# Altium PCB DC-DC_PWM_IV_Controller.PcbDoc (part 1 of 2) (continued)
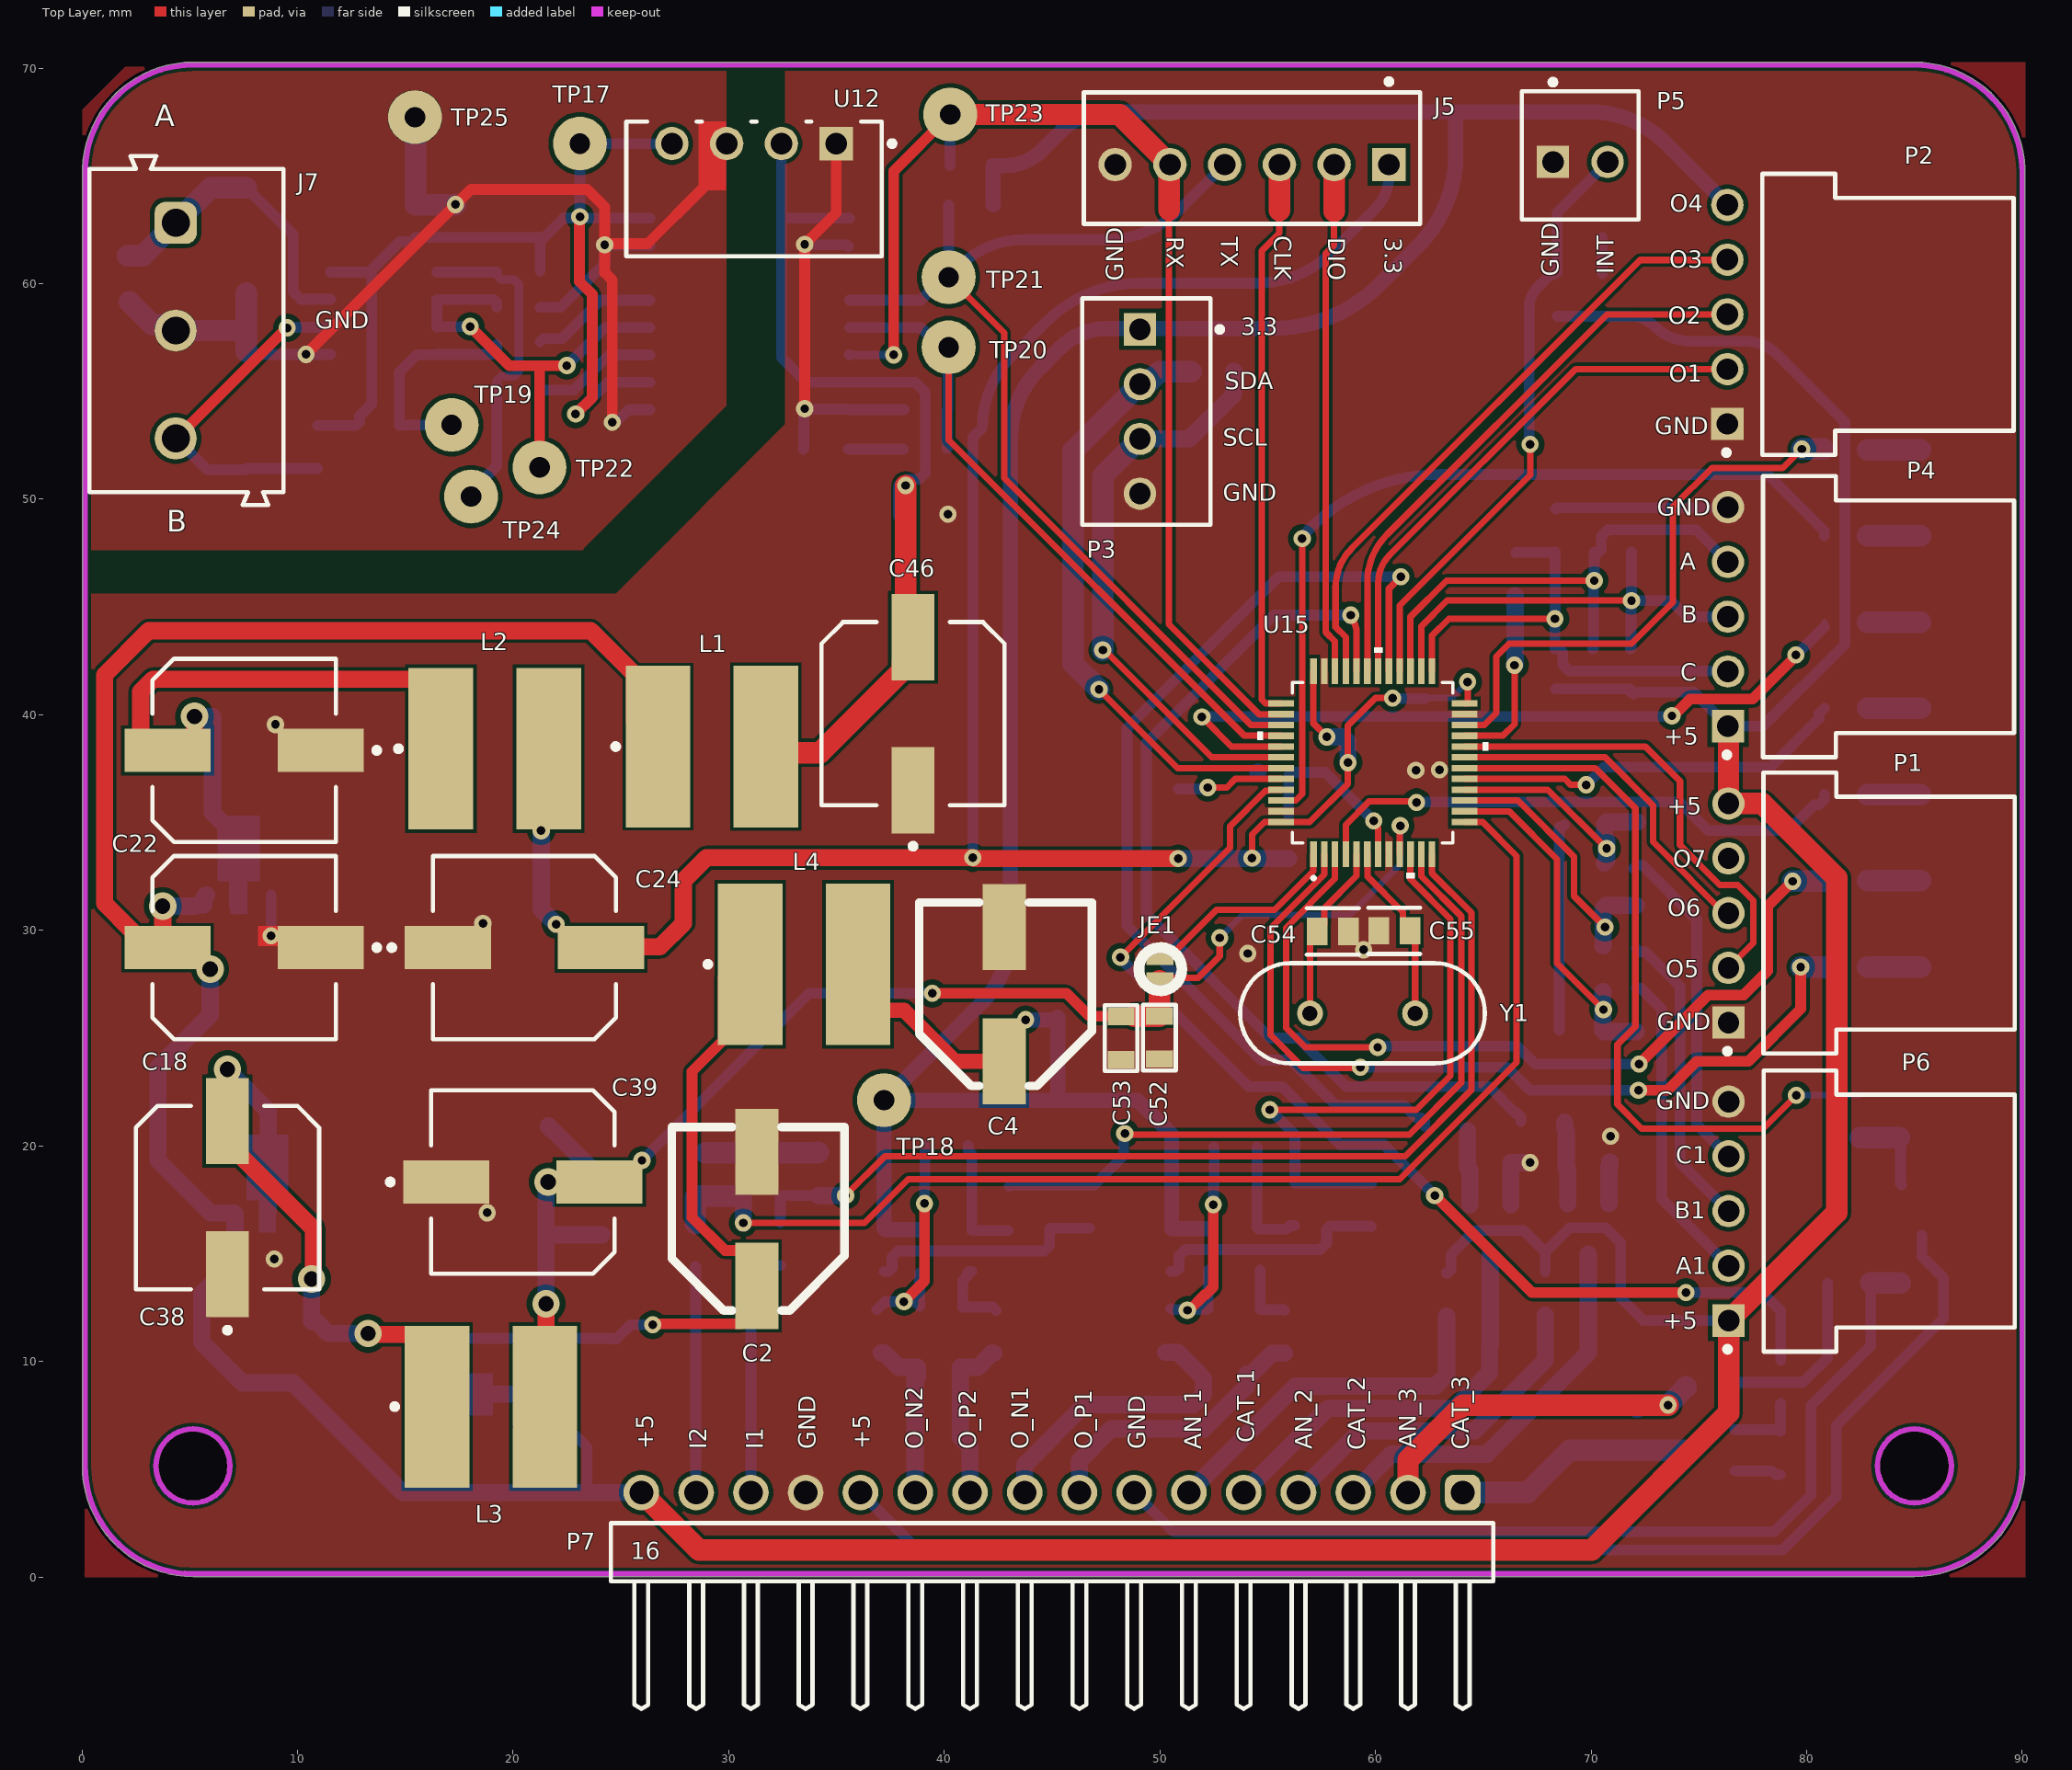
[diagram p0: Top Layer view]
## Components (designator, comment, footprint, x,y, rotation, side; value= is the part's Value field where it differs from the comment)
C1 "0.1uF" CAP-0805 45.275,26.975 r270 bottom
C2 "CAP-POLAR" CAP_SMD_Size_E 31.3,16.675 r270 top
C3 "0.1uF" CAP-0805 24.575,10.05 r90 bottom
C4 "CAP-POLAR" CAP_SMD_Size_E 42.775,27.1 r270 top locked
C5 "0.1uF" CAP-0805 22.2,7.975 r270 bottom
C16 "0.1uF" CAP-0805 37.204,15.175 r90 bottom
C17 "0.1uF" CAP-0805 50.529,15.175 r90 bottom
C18 "CAP-POLAR" SIZE_EEE 7.525,29.2 r180 top locked
C19 "0.1uF" CAP-0805 20.3,31.4 r0 bottom
C20 "0.1uF" CAP-0805 39.75,9.5 r0 bottom
C21 "0.1uF" CAP-0805 39.854,12.55 r0 bottom
C22 "CAP-POLAR" SIZE_EEE 7.525,38.35 r180 top locked
C23 "0.1uF" CAP-0805 7.05,39.875 r180 bottom
C24 "CAP-POLAR" SIZE_EEE 20.525,29.2 r0 top locked
C25 "0.1uF" CAP-0805 6.95,26.675 r180 bottom
C26 "0.1uF" CAP-0805 53.029,9.2 r0 bottom
C27 "0.1uF" CAP-0805 53.2,12.425 r0 bottom
C30 "1000pF" CAP-0805 44.879,17.15 r90 bottom
C32 "1000pF" CAP-0805 59.804,17.25 r90 bottom
C34 "0.1uF" CAP-0805 40.079,18.25 r0 bottom
C35 "0.1uF" CAP-0805 53.504,18.25 r0 bottom
C36 "0.1uF" CAP-0805 7.075,13.1 r90 bottom
C37 "0.1uF" CAP-0805 20.525,15.775 r0 bottom
C38 "CAP-POLAR" SIZE_EEE 6.75,17.6 r90 top locked
C39 "CAP-POLAR" SIZE_EEE 20.45,18.325 r0 top locked
C40 "0.1uF" CAP-0805 9.65,12.075 r0 bottom
C42 "C0805C224K5RACTU" FP-C0805C-DN-MFG 15.475,62.9 r90 bottom value="0.22 μF"
C45 "0.1uF" CAP-0805 39.125,50.55 r180 bottom
C46 "CAP-POLAR" SIZE_EEE 38.55,40.05 r90 top
C49 "0.1uF" CAP-0805 62.325,39.725 r90 bottom
C50 "0.1uF" CAP-0805 52.575,34.325 r270 bottom
C51 "0.1uF" CAP-0805 59.725,38.525 r180 bottom
C52 "0.1uF" CAP-0805 49.975,25.025 r90 top
C53 "0.1uF" CAP-0805 48.2,25 r90 top
C54 "16pF" FP-GRM21B-0_1-IPC_C 58.023,29.95 r0 top
C55 "16pF" FP-GRM21B-0_1-IPC_C 60.873,29.975 r180 top
C56 "0.22 UF" FP-C0805C-DN-MFG 55.3,37.325 r180 bottom value="0.22 μF"
C57 "22pF" CAP-0805 30.675,18.7 r270 bottom
C58 "22pF" CAP-0805 32.4,18.7 r270 bottom
C59 "22pF" CAP-0805 69.625,34.75 r0 bottom
C60 "22pF" CAP-0805 69.556,29.275 r0 bottom
C61 "22pF" CAP-0805 69.556,27.15 r0 bottom
C62 "22pF" CAP-0805 70.15,48.525 r270 bottom
C63 "22pF" CAP-0805 71.875,48.55 r270 bottom
C64 "22pF" CAP-0805 68.35,48.55 r270 bottom
D5 "151031YS06000" LED_GREEN 20.6,20.925 r180 bottom
D6 "LED" LED_BLUE 34.5,52.325 r180 bottom
D7 "151031YS06000" LED_BLUE 86.325,44.3 r0 bottom
D8 "151031YS06000" LED_RED 86.325,28.3 r0 bottom
D9 "151031YS06000" LED_YELLOW 86.325,32.3 r0 bottom
D10 "151031YS06000" LED_GREEN 86.325,36.3 r0 bottom
D11 "151031YS06000" LED_BLUE 86.325,40.3 r0 bottom
D12 "151031YS06000" LED_BLUE 86.325,48.3 r0 bottom
D13 "151031YS06000" LED_BLUE 86.325,52.3 r0 bottom
D14 "151031YS06000" LED_RED 69.475,62.15 r180 bottom
J5 "SWR25X-NRTC-S06-ST-BA" Sullins_SWR25X-NRTC-S06-ST-BA_MFG 54.275,65.825 r180 top
J7 "" 691101710003 4.85,57.825 r270 top
JE1 "Jumper" JE 50.025,28.2 r180 top
L1 "1000µH, 0.3A" WE-PD2_7850 29.225,38.525 r0 top
L2 "1000µH, 0.3A" WE-PD2_7850 19.15,38.425 r0 top
L3 "1000µH, 0.3A" WE-PD2_7850 18.975,7.9 r0 top
L4 "1000µH, 0.3A" WE-PD2_7850 33.5,28.425 r0 top
P1 "61900511021" 61900511021 83.825,30.8 r90 top
P2 "61900511021" 61900511021 83.775,58.575 r90 top
P3 "61900411121" 61900411121 49.375,54.07 r90 top
P4 "61900511021" 61900511021 83.8,44.55 r90 top
P5 "61900211121" 61900211121 69.5,65.95 r180 top locked
P6 "61900511021" 61900511021 83.83,16.975 r90 top locked
P7 "61301611021" 61301611021 45,1.15 r0 top locked
R1 "1K" RES-0805 75.4,8.825 r0 bottom
R2 "1K" RES-0805 72.125,6.875 r90 bottom
R3 "1K" RES-0805 78.8,9.05 r270 bottom
R4 "10K" RES-0805 78.775,5.75 r90 bottom
R5 "1K" RES-0805 81.975,13.65 r180 bottom
R6 "1K" RES-0805 85.35,13.65 r180 bottom
R7 "1K" RES-0805 82.475,21.375 r270 bottom
R8 "10K" RES-0805 85.3,20.375 r180 bottom
R21 "10K" RES-0805 42.4,11.375 r90 bottom
R22 "10K" RES-0805 55.575,11.375 r90 bottom
R23 "1K" RES-0805 43.004,17.125 r270 bottom
R24 "1K" RES-0805 56.254,17.3 r270 bottom
R25 "10K" RES-0805 36.875,11.4 r90 bottom
R26 "10K" RES-0805 50.325,11.425 r90 bottom
R27 "47K" RES-0805 46.729,17.175 r270 bottom
R28 "47K" RES-0805 58.029,17.275 r270 bottom
R29 "10K" RES-0805 40.104,20.025 r0 bottom
R30 "10K" RES-0805 53.504,19.95 r0 bottom
R31 "220" RES-0805 24.125,16.875 r270 bottom
R32 "10K" RES-0805 10.925,52.425 r90 bottom
R33 "10K" RES-0805 41.25,65.475 r0 bottom
R34 "10K" RES-0805 13.725,53.425 r180 bottom
R35 "10K" RES-0805 20.25,60.6 r0 bottom
R36 "10K" RES-0805 41.275,63.65 r0 bottom
R37 "100" RES-0805 20.25,57.1 r0 bottom
R38 "100" RES-0805 20.25,55.3 r0 bottom
R39 "10K" RES-0805 20.25,58.9 r180 bottom
R40 "220" RES-0805 39.125,52.35 r0 bottom
R41 "10K" RES-0805 39.15,54.15 r0 bottom
R42 "10K" RES-0805 1.975,60.15 r90 bottom
R43 "1K" RES-0805 67.875,13.15 r90 bottom
R44 "1K" RES-0805 63.3,13.1 r90 bottom
R45 "1K" RES-0805 68.875,10.625 r180 bottom
R46 "1K" RES-0805 64.3,10.55 r180 bottom
R47 "1K" RES-0805 67.75,21.125 r0 bottom
R48 "10K" RES-0805 55.975,34.325 r270 bottom
R49 "1K" RES-0805 63.275,20.925 r0 bottom
R50 "10K" RES-0805 69.875,19.3 r180 bottom
R51 "10K" RES-0805 65.275,19.2 r180 bottom
R52 "220" RES-0805 81.825,44.3 r180 bottom
R53 "220" RES-0805 81.825,52.3 r180 bottom
R54 "220" RES-0805 81.825,28.3 r180 bottom
R55 "220" RES-0805 81.825,32.3 r180 bottom
R56 "220" RES-0805 81.825,36.3 r180 bottom
R57 "220" RES-0805 81.825,40.3 r180 bottom
R58 "220" RES-0805 81.825,48.3 r180 bottom
R59 "1K" RES-0805 50.8,35.5 r90 bottom
R60 "10K" RES-0805 32.4,15.45 r90 bottom
R61 "100" RES-0805 72.1,26.3 r270 bottom
R62 "220" RES-0805 70.525,59.475 r270 bottom
R63 "220K" RES-0805 70.075,42.05 r270 bottom
R64 "220K" RES-0805 71.825,42.05 r270 bottom
R65 "220K" RES-0805 68.325,42.05 r270 bottom
R66 "100" RES-0805 72.1,30.15 r90 bottom
R67 "20K" RES-0805 66.475,46.525 r270 bottom
R68 "10K" RES-0805 28.45,15.4 r90 bottom
R69 "100" RES-0805 72.15,34.025 r90 bottom
R70 "10K" RES-0805 68.425,59.5 r90 bottom
R71 "22K" RES-0805 28.5,18.675 r270 bottom
R72 "22K" RES-0805 34.15,18.7 r270 bottom
R73 "220K" RES-0805 69.531,25.375 r0 bottom
R74 "220K" RES-0805 69.6,32.9 r0 bottom
R75 "220K" RES-0805 69.581,31.05 r0 bottom
R76 "10K" RES-0805 51.45,56.925 r90 bottom
R77 "10K" RES-0805 53.45,56.925 r90 bottom
T1 "BC847C" SOT23-3_IPC_A 69.875,16.15 r270 bottom
T2 "BC847C" SOT23-3_IPC_A 65.325,16.1 r270 bottom
T3 "BC847C" SOT23-3_IPC_A 75.5,5.875 r180 bottom
T4 "BC847C" SOT23-3_IPC_A 85.35,17.025 r270 bottom
TP17 "Test_Point_PCB" Test_Point 23.1,66.5 r90 top
TP18 "" Test_Point 37.206,22.119 r90 top
TP19 "Test_Point_PCB" Test_Point 17.15,53.45 r90 top
TP20 "Test_Point_PCB" Test_Point 40.2,57.05 r90 top
TP21 "Test_Point_PCB" Test_Point 40.2,60.3 r90 top
TP22 "Test_Point_PCB" Test_Point 21.225,51.475 r90 top
TP23 "Test_Point_PCB" Test_Point 40.275,67.85 r90 top
TP24 "" Test_Point 18.05,50.125 r90 top
TP25 "Test_Point_PCB" Test_Point 15.45,67.725 r90 top
U1 "AMS1117" SOT-89 17.919,8.475 r270 bottom
U2 "AMS1117" SOT-89 7.275,33.425 r180 bottom
U3 "AMS1117" SOT-89 8.6,18.625 r180 bottom
U7 "" SOT-23-5 40.079,15.125 r180 bottom
U8 "" SOT-23-5 53.45,15.193 r180 bottom
U12 "B0505S-1W" B0505S-1W 31.175,64.4 r180 top
U13 "MAX485" SOIC-8-MFG 14,58.625 r180 bottom
U14 "ADUM1401BRWZ" ADI-RW-16_M 30.975,58.6 r180 bottom
U15 "STM32F303CCT6" LQFP48-7x7mm 59.875,37.775 r90 top locked
Y1 "FOXSLF/120-20" FOX-FOXSLF-2_V 59.4,26.15 r180 top
ZD1 "P6SMB16CA" DO-214AA 7.575,55.675 r270 bottom
ZD2 "P6SMB16CA" DO-214AA 7.625,59.95 r90 bottom

## Footprints (in the part's own frame and the unit in brackets; to place one, negate y for a bottom-side part, rotate by r counter-clockwise, add the part's x,y. Pads: shape width x height; smd on the part's side, far side on the other; paste and mask are expansions set on the pad)
61301611021 [mm] "Pin Header, pitch 2.54 mm, THT, Angled, single row, 16p"
  rrect50% 1.65x1.65 hole 1.1: 1(19.05,2.77)
  round 1.65 hole 1.1: 2(16.51,2.77) 3(13.97,2.77) 4(11.43,2.77) 5(8.89,2.77) 6(6.35,2.77) 7(3.81,2.77) 8(1.27,2.77) 9(-1.27,2.77) 10(-3.81,2.77) 11(-6.35,2.77) 12(-8.89,2.77) 13(-11.43,2.77) 14(-13.97,2.77) 15(-16.51,2.77) 16(-19.05,2.77)
  silkscreen extent -20.47,-7.27 20.47,1.35, body extent -20.32,-7.27 20.32,3.09, height 2.58
61900211121 [mm] "2.54mm Male Locking Header, 2p"
  rect 1.5x1.5 hole 1: 1(1.27,0.3)
  round 1.5 hole 1: 2(-1.27,0.3)
  silkscreen extent -2.71,-3.52 2.71,2.98, body extent -2.54,-2.9 2.54,2.9, height 11.53
61900411121 [mm] "2.54mm Male Locking Header, 4p"
  rect 1.5x1.5 hole 1: 1(3.81,0.3)
  round 1.5 hole 1: 2(1.27,0.3) 3(-1.27,0.3) 4(-3.81,0.3)
  silkscreen extent -5.25,-3.52 5.25,2.98, body extent -5.08,-2.9 5.08,2.9, height 11.53
61900511021 [mm] "2.54mm Male Left Angled Header Bottom Locking, 5p"
  rect 1.5x1.5 hole 1: 1(-5.08,7.45)
  round 1.5 hole 1: 2(-2.54,7.45) 3(0,7.45) 4(2.54,7.45) 5(5.08,7.45)
  silkscreen extent -6.53,-5.82 6.52,7.62, body extent -6.35,-5.75 6.35,7.77, height 5.83
691101710003 [mm] "5,00mm - modular - blue - Horizontal entry with pressure clamp - 12,6mm height - 03p"
  rrect50% 1.95x1.95 hole 1.3: 1(-5,-0.5)
  round 1.95 hole 1.3: 2(0,-0.5) 3(5,-0.5)
  silkscreen extent -8.1,-4.5 8.1,4.5, body extent -8.1,-4.5 8.1,4.5, height 12.65
ADI-RW-16_M [mm] "SOIC, 16-Leads, Body 10.3x7.5mm, Pitch 1.27mm, IPC Low Density"
  oval 2.6x0.7 smd: 1(-4.625,4.445) 2(-4.625,3.175) 3(-4.625,1.905) 4(-4.625,0.635) 5(-4.625,-0.635) 6(-4.625,-1.905) 7(-4.625,-3.175) 8(-4.625,-4.445) 9(4.625,-4.445) 10(4.625,-3.175) 11(4.625,-1.905) 12(4.625,-0.635) 13(4.625,0.635) 14(4.625,1.905) 15(4.625,3.175) 16(4.625,4.445)
  silkscreen extent -4.75,-5.25 2.93,5.47, body extent -3.8,-5.25 3.8,5.25, height 2.65
B0505S-1W [mm]
  rect 1.55x1.55 hole 1 paste-2539.97 mask+0: 1(-3.81,-2.1)
  round 1.55 hole 1 paste-2539.97 mask+0: 2(-1.27,-2.1) 3(1.27,-2.1) 4(3.81,-2.1)
  silkscreen extent -6.53,-3.13 5.92,3.13, body extent -6.02,-3.22 6.02,3.22, height 0.25
CAP-0805 [mm]
  rect 0.8x1.25 smd mask+0.015: 1(-1,0) 2(1,0)
  silkscreen extent -1.52,-0.76 1.52,0.76, body extent -1,-0.62 1,0.63, height 0.8
CAP_SMD_Size_E [mm]
  rect 4x2 smd: 1(3.175,0) 2(-3.048,0)
  silkscreen extent -4.19,-3.94 4.32,4.06, body extent -4.25,-4 4.25,4, height 9.59
DO-214AA [mm]
  rect 2.4x2.4 smd: 1(-0.381,0) 2(4.5,0)
  silkscreen extent 1.02,-1.91 6.35,1.9, body extent -0.75,-1.97 4.85,1.97, height 2.65
FOX-FOXSLF-2_V [mm] "THD, 2-Leads, Body 11.35x4.65mm, Pitch 4.88mm"
  round 1.2 hole 0.7: 1(-2.44,0) 2(2.44,0)
  silkscreen extent -5.68,-2.32 5.68,2.32, body extent -5.67,-2.32 5.68,2.32, height 3.6
FP-C0805C-DN-MFG [mm]
  rect 0.95x1.35 smd paste+0 mask+0: 1(-0.75,0) 2(0.75,0)
  silkscreen extent -1.1,-1.07 1.1,1.07, body extent -1,-0.63 1,0.63, height 0.88
FP-GRM21B-0_1-IPC_C [mm]
  rect 0.958x1.262 smd paste+0 mask+0: 1(-0.727,0) 2(0.727,0)
  silkscreen extent -1.21,-1.07 1.21,1.07, body extent -1,-0.63 1,0.63, height 1.35
JE [mil]
  rect 50x27.56 smd: 1(1,20) 2(1,-21)
  silkscreen extent -39,-39 39,39
LED_BLUE [mm]
  rect 1.1x1.2 smd paste+0 mask+0: 1(-1.05,0) 2(1.05,0)
  silkscreen extent -2.28,-0.67 0.13,0.67, body extent -1,-0.63 1,0.63, height 0.8
LED_GREEN [mm]
  rect 1.1x1.2 smd paste+0 mask+0: 1(-1.05,0) 2(1.05,0)
  silkscreen extent -2.28,-0.67 0.13,0.67, body extent -1,-0.63 1,0.63, height 0.8
LED_RED [mm]
  rect 1.1x1.2 smd paste+0 mask+0: 1(-1.05,0) 2(1.05,0)
  silkscreen extent -2.27,-0.67 0.13,0.67, body extent -1,-0.63 1,0.63, height 0.8
LED_YELLOW [mm]
  rect 1.1x1.2 smd paste+0 mask+0: 1(-1.05,0) 2(1.05,0)
  silkscreen extent -2.27,-0.67 0.13,0.67, body extent -1,-0.63 1,0.63, height 0.8
LQFP48-7x7mm [mm]
  rect 1.194x0.305 smd paste+0 mask+0: 1(-4.25,2.75) 2(-4.25,2.25) 3(-4.25,1.75) 4(-4.25,1.25) 5(-4.25,0.75) 6(-4.25,0.25) 7(-4.25,-0.25) 8(-4.25,-0.75) 9(-4.25,-1.25) 10(-4.25,-1.75) 11(-4.25,-2.25) 12(-4.25,-2.75) 25(4.25,-2.75) 26(4.25,-2.25) 27(4.25,-1.75) 28(4.25,-1.25) 29(4.25,-0.75) 30(4.25,-0.25) 31(4.25,0.25) 32(4.25,0.75) 33(4.25,1.25) 34(4.25,1.75) 35(4.25,2.25) 36(4.25,2.75)
  rect 0.305x1.194 smd paste+0 mask+0: 13(-2.75,-4.25) 14(-2.25,-4.25) 15(-1.75,-4.25) 16(-1.25,-4.25) 17(-0.75,-4.25) 18(-0.25,-4.25) 19(0.25,-4.25) 20(0.75,-4.25) 21(1.25,-4.25) 22(1.75,-4.25) 23(2.25,-4.25) 24(2.75,-4.25) 37(2.75,4.25) 38(2.25,4.25) 39(1.75,4.25) 40(1.25,4.25) 41(0.75,4.25) 42(0.25,4.25) 43(-0.25,4.25) 44(-0.75,4.25) 45(-1.25,4.25) 46(-1.75,4.25) 47(-2.25,4.25) 48(-2.75,4.25)
  silkscreen extent -5.43,-5.35 5.35,5.35, body extent -4.5,-4.5 4.5,4.5, height 1.6
RES-0805 [mm]
  rect 0.8x1.25 smd mask+0.015: 1(-1,0) 2(1,0)
  silkscreen extent -1.52,-0.76 1.52,0.76, body extent -1,-0.62 1,0.63, height 0.6
SIZE_EEE [mm]
  rect 4x2 smd paste+0 mask+0: 1(3.55,0) 2(-3.55,0)
  silkscreen extent -6.28,-4.25 4.25,4.25, body extent -5.8,-4.5 5.8,4.5, height 0.25
SOIC-8-MFG [mm]
  rect 1.98x0.53 smd paste+0 mask+0: 1(-2.465,1.905) 2(-2.465,0.635) 3(-2.465,-0.635) 4(-2.465,-1.905) 5(2.465,-1.905) 6(2.465,-0.635) 7(2.465,0.635) 8(2.465,1.905)
  silkscreen extent -4.28,-2.5 1.1,2.5, body extent -3,-2.45 3,2.45, height 1.75
SOT23-3_IPC_A [mm]
  rect 1.308x0.616 smd paste+0 mask+0: 1(-1.175,0.95)
  rrect100% 1.308x0.616 smd paste+0 mask+0: 2(-1.175,-0.95) 3(1.175,0)
  silkscreen extent -0.65,-1.45 0.65,1.45, body extent -1.2,-1.45 1.2,1.45, height 1.1
SOT-23-5 [mm]
  rect 0.9x0.65 smd: 1(-1.2,0.95) 2(-1.2,0) 3(-1.2,-0.95) 4(1.2,-0.95) 5(1.2,0.95)
  silkscreen extent -1.33,-1.55 0.35,1.95, body extent -1.4,-1.45 1.4,1.45, height 1.24
SOT-89 [mm]
  rect 0.58x1.73 smd paste+0 mask+0: 1(-1.5,-1.781) 3(1.5,-1.781)
  round 1.74 smd paste+0 mask+0: 2(0,0)
  Top Layer region: -0.38,-2.646 -0.38,-1.146 -0.967,-1.146 -0.967,1.884 0.967,1.884 0.967,-1.146 0.38,-1.146 0.38,-2.646
  silkscreen extent -2.7,-2.47 2.3,1.15, body extent -2.25,-2.42 2.25,1.68, height 1.6
Sullins_SWR25X-NRTC-S06-ST-BA_MFG [mm]
  rect 1.55x1.55 hole 1 paste-2539.97 mask+0: 1(-6.35,0.3)
  round 1.55 hole 1 paste-2539.97 mask+0: 2(-3.81,0.3) 3(-1.27,0.3) 4(1.27,0.3) 5(3.81,0.3) 6(6.35,0.3)
  silkscreen extent -7.8,-3.67 7.8,3.05, body extent -7.9,-3.15 7.9,3.15, height 0.25
Test_Point [mm]
  round 2.5 hole 0.95: 1(0,0)
WE-PD2_7850 [mm] "SMD Power Inductor, 2-Leads, body 7.8x7mm"
  rect 3x7.5 smd: 1(-2.5,0) 2(2.5,0)
  silkscreen extent -4.59,-0.12 -4.34,0.12, body extent -3.81,-3.5 3.81,3.5, height 4.95

## Part data
C1 C3 C5 C16 C17 C19 C20 C21 C23 C25 C26 C27 C30 C32 C34 C35 C36 C37 C40 C45 C49 C50 C51 C52 C53 C57 C58 C59 C60 C61 C62 C63 C64: library part CAP-NON-POLAR
C42: library part CMP-1036-04552-2, "CAP CER 0.22UF 50V X7R 0805", Capacitance="0.22 μF", Manufacturer=KEMET, Package=C0805C-DN, Temperature="-55°C to +125°C", Temperature Characteristic=X7R, Temperature Coefficient=30ppm/°C, Temperature Range High=+125°C, Temperature Range Low=-55°C, Tolerance=0.1, Voltage Rating="50 V", Automotive=No, Category=Cap, ComponentLink2Description=Datasheet, ComponentLink2URL=https://content.kemet.com/datasheets/KEM_C1003_C0G_SMD.pdf, Device Class L1="Passive Components", Device Class L2=Capacitors, Device Class L3="Ceramic Capacitors", Digikey Description="CAP CER 0.22UF 50V X7R 0805", Height=0.88mm, Ipc Land Pattern Name=CAPC200125X78, Lead Free=Yes, Manufacturer Part Number=C0805C224K5RACTU, Material=Ceramic, Mouser Description="CAP CER 0.22UF 50V X7R 0805", Octopart=https://octopart.com/c0805c224k5ractu-kemet-144670, RoHS=TRUE
C54 C55: library part CMP-2007-03453-2, "Chip Multilayer Ceramic Capacitors for General Purpose, 0805, 16pF, X5R, 15%, 10%, 16V", Capacitance=10uF, Case Code (Imperial)=0805, Case Code (Metric)=2012, Dielectric=X5R, Max Operating Temperature=85°C, Min Operating Temperature=-55°C, Package Quantity=1, Tolerance=10%, Voltage=16V, Case/Package=0805, Depth=1.25mm, Height=1.25mm, Lead Free="Lead Free", Length=2mm, Material=Ceramic, Mount="Surface Mount", Packaging="Tape and Reel", Radiation Hardening=No, REACH SVHC="No SVHC", Termination=SMD/SMT, Thickness=0.053inch, Voltage Rating=16V, Voltage Rating (DC)=16V, Width=1.25mm
C56: library part CMP-1036-04552-2, "CAP CER 0.22UF 50V X7R 0805", Capacitance="0.22 μF", Manufacturer=KEMET, Manufacturer Part Number=C0805C224K5RACTU, Package=C0805C-DN, Temperature="-55°C to +125°C", Temperature Characteristic=X7R, Temperature Coefficient=30ppm/°C, Temperature Range High=+125°C, Temperature Range Low=-55°C, Tolerance=0.1, Voltage Rating="50 V", Automotive=No, Category=Cap, ComponentLink2Description=Datasheet, ComponentLink2URL=https://content.kemet.com/datasheets/KEM_C1003_C0G_SMD.pdf, Device Class L1="Passive Components", Device Class L2=Capacitors, Device Class L3="Ceramic Capacitors", Digikey Description="CAP CER 0.22UF 50V X7R 0805", Height=0.88mm, Ipc Land Pattern Name=CAPC200125X78, Lead Free=Yes, Material=Ceramic, Mouser Description="CAP CER 0.22UF 50V X7R 0805", Octopart=https://octopart.com/c0805c224k5ractu-kemet-144670, RoHS=TRUE
D5 D7 D8 D9 D10 D11 D12 D13 D14: library part LED, "WURTH ELEKTRONIK - 151031YS06000 - LED, Yellow, Through Hole, T-1 (3mm), 30 mA, 2 V, 590 nm", Manufacturer_Name="Wurth Elektronik", Mouser Part Number=710-151031YS06000, Datasheet Link=https://katalog.we-online.de/led/datasheet/151031YS06000.pdf, Geometry.Height=5.5mm, Manufacturer_Part_Number=151031YS06000, Mouser Price/Stock=https://www.mouser.co.uk/ProductDetail/Wurth-Elektronik/151031YS06000?qs=LlUlMxKIyB3xSYYW%252BcuBiQ%3D%3D
D6: "WURTH ELEKTRONIK - 151031YS06000 - LED, Yellow, Through Hole, T-1 (3mm), 30 mA, 2 V, 590 nm", Manufacturer_Name="Wurth Elektronik", Manufacturer_Part_Number=151031YS06000, Mouser Part Number=710-151031YS06000, Datasheet Link=https://katalog.we-online.de/led/datasheet/151031YS06000.pdf, Geometry.Height=5.5mm, Mouser Price/Stock=https://www.mouser.co.uk/ProductDetail/Wurth-Elektronik/151031YS06000?qs=LlUlMxKIyB3xSYYW%252BcuBiQ%3D%3D
J7: library part 691101710003, "WR-TBL Series 101 Horizontal Entry Modular, Through Hole, pitch 5mm, 3p", Manufacturer="Wurth Elektronik", Operating Temperature Max=105°C, Operating Temperature Min=-40°C, Rated Current=16A, Working Voltage=250V, Application="Pressure Clamp", Category="Terminal Blocks", ComponentLink1Description="Manufacturer Link", ComponentLink1URL=https://www.we-online.com/redexpert/article/691101710003?ad, ComponentLink2Description=Datasheet, ComponentLink2URL=https://www.we-online.com/redexpert/spec/691101710003?ad, Manufacturer Part Number=691101710003, Match Code=WR-TBL, Modularity=Yes, Mount="Through Hole", Orientation=Horizontal, Packaging=Box, PCB/Cable/Panel=PCB, Pin Number=3, Pitch=5mm
JE1: library part JE
L1 L2 L3 L4: library part 74477530, "WE-PD2 SMT Power Inductor, size 7850, 1000µH, 0.3A, 3.3Ω", Case/Size Code=7850, DC Resistance=2.78Ω, DC Resistance Max=3.3Ω, Inductance=1000µH, Manufacturer="Wurth Elektronik", Operating Temperature Max=125°C, Operating Temperature Min=-40°C, Rated Current=0.3A, Self Resonant Frequency=2.4MHz, Category="Unshielded Power Inductors", ComponentLink1Description="Website Link", ComponentLink1URL=https://www.we-online.com/redexpert/article/74477530?ad, ComponentLink2Description="Datasheet Link", ComponentLink2URL=https://www.we-online.com/redexpert/spec/74477530?ad, Height=4.95mm, Length=7.8mm, Manufacturer Part Number=74477530, Match Code=WE-PD2, Mount="Surface Mount", Packaging="Tape and Reel", Saturation Current=0.3A, Width=7mm, Simulation ModelName=7850_74477530_1m, Simulation ModelText=".subckt 7850_74477530_1m 1 2 / Rp 1 2 187304.915771 / Cp 1 2 4.36976277949p / Rs 1 N3 3.3 / L1 N3 2 1000u / .ends 7850_74477530_1m", Simulation PortMap=(1:1),(2:2)
P1 P2 P4 P6: "WR-WTB THT Male Left Angled Bottom Locking Header, pitch 2.54mm, 5p", Contact Resistance=20mOhm, Operating Temperature="-40 to +105degC", Rated Current=3A, Withstanding Voltage=1000VAC, Working Voltage=250VAC, ComponentLink1Description=Manufacturer, ComponentLink1URL=http://www.we-online.de, ComponentLink2Description=Datasheet, ComponentLink2URL=https://www.we-online.com/catalog/datasheet/61900511021.pdf, Gender=Male, Mounting Technology=THT, Packaging=Bag, Part Number=61900511021, Pin Number=5, Pitch=2.54mm, Published Date="January 2020", Publisher="Wurth Elektronik", Type="Right Angled Bottom Locking"
P3: "WR-WTB THT Male Vertical Locking Header, pitch 2.54mm, 4p", Contact Resistance=20mOhm, Operating Temperature="-40 to +105degC", Rated Current=3A, Withstanding Voltage=1000VAC, Working Voltage=250VAC, ComponentLink1Description=Manufacturer, ComponentLink1URL=http://www.we-online.de, ComponentLink2Description=Datasheet, ComponentLink2URL=https://www.we-online.com/catalog/datasheet/61900411121.pdf, Gender=Male, Mounting Technology=THT, Packaging=Bag, Part Number=61900411121, Pin Number=4, Pitch=2.54mm, Published Date="January 2020", Publisher="Wurth Elektronik", Type=Vertical
P5: "WR-WTB THT Male Vertical Locking Header, pitch 2.54mm, 2p", Contact Resistance=20mOhm, Operating Temperature="-40 to +105degC", Rated Current=3A, Withstanding Voltage=1000VAC, Working Voltage=250VAC, ComponentLink1Description=Manufacturer, ComponentLink1URL=http://www.we-online.de, ComponentLink2Description=Datasheet, ComponentLink2URL=https://www.we-online.com/catalog/datasheet/61900211121.pdf, Gender=Male, Mounting Technology=THT, Packaging=Bag, Part Number=61900211121, Pin Number=2, Pitch=2.54mm, Published Date="January 2020", Publisher="Wurth Elektronik", Type=Vertical
P7: "WR-PHD Pin Header, THT, Angled, pitch 2.54mm, 1 Row, 16P", Contact Resistance=20mΩ, Manufacturer="Wurth Elektronik", Operating Temperature Max=105°C, Operating Temperature Min=-40°C, Rated Current=3A, Withstanding Voltage=500V, Working Voltage=250V, Category="Board-to-Board Connectors", ComponentLink1Description="Website Link", ComponentLink1URL=https://www.we-online.com/redexpert/article/61301611021?ad, ComponentLink2Description="Datasheet Link", ComponentLink2URL=https://www.we-online.com/redexpert/spec/61301611021?ad, Gender="Pin Header", Manufacturer Part Number=61301611021, Match Code=WR-PHD, Mount="Through Hole", Number of Pins=16, Number of Rows=1, Orientation=Angled, Packaging=Bag, Pitch=2.54mm
R1 R2 R3 R4 R5 R6 R7 R8 R21 R22 R23 R24 R25 R26 R27 R28 R29 R30 R31 R32 R33 R34 R35 R36 R37 R38 R39 R40 R41 R42 R43 R44 R45 R46 R47 R48 R49 R50 R51 R52 R53 R54 R55 R56 R57 R58 R59 R60 R61 R62 R63 R64 R65 R66 R67 R68 R69 R70 R71 R72 R73 R74 R75 R76 R77: library part RES-CONST
TP17 TP18 TP19 TP20 TP21 TP22 TP23 TP24 TP25: library part TP_PCB?, "Test_Point"
U7 U8: library part MCP6001T, "IC OPAMP GP 1 CIRCUIT SOT23-5", Case/Package=SOT-23, Input Bias Current=1pA, Input Offset Voltage (Vos)=4.5mV, Max Operating Temperature=85°C, Max Supply Voltage=6V, Min Operating Temperature=-40°C, Min Supply Voltage=1.8V, Nominal Supply Current=100uA, Operating Supply Voltage=5.5V, Output Current=23mA, Package Quantity=1, Power Supply Rejection Ratio (PSRR)=86dB, Voltage Gain=112dB, Bandwidth=1MHz, Common Mode Rejection Ratio=60dB, Contact Plating=Tin, Gain Bandwidth Product=1MHz, Height=1.3mm, Lead Free="Lead Free", Length=3.1mm, Mount="Surface Mount", Number of Amplifiers=1, Number of Channels=1, Number of Circuits=1, Number of Elements=1, Number of Pins=5, Operating Supply Current=100uA, Output Current per Channel=23mA, Packaging="Tape and Reel", Radiation Hardening=No, REACH SVHC="No SVHC", Slew Rate=0.6V/µs, Unity Gain Bandwidth Product=1MHz, Voltage=6V, Width=1.8mm
U14: library part CMP-0534-00565-1, "Quad Channel Digital Isolator, 2.5 KV rms Insulation Rating, 10 Mbps Data Rate, 50 ns Delay, Industrial, 16-pin SOIC (RW-16), Tube", Manufacturer="Analog Devices", Max Operating Temp (degreesC)=125, Code_JEDEC=MS-013-AA, ComponentLink1Description="Manufacturer URL", ComponentLink1URL=http://www.analog.com/en/index.html, ComponentLink2Description=Datasheet, ComponentLink2URL=http://www.analog.com/static/imported-files/data_sheets/ADuM1400_1401_1402.pdf, ComponentLink3Description="Package Specification", ComponentLink3URL=http://www.analog.com/static/imported-files/packages/PKG_PDF/SOIC_WIDE%20%28RW%29/RW_16.pdf, ComponentLink4Description="URL Link1", ComponentLink4URL="Product URL:http://www.analog.com/en/interface-isolation/digital-isolators/adum1401/products/product.html", ComponentLink5Description="URL Link2", ComponentLink5URL="Reference Circuit:http://www.analog.com/en/interface-isolation/digital-isolators/adum1401/products/product.html#product-recommendations", DatasheetVersion="Rev. H", Max Data Rate=10Mbps, Mounting Technology="Surface Mount", PackageDescription="16-Pin Standard Small Outline Package, Body 10.3 x 7.5 mm, Pitch 1.27 mm", PackageReference=RW-16, PackageVersion="032707-B, 03/2007", PartNumber=ADUM1401BRWZ
U15: "No Description Available", Mfr_Name=STMicroelectronics, RefDes=RefDes, Type=Type
Y1: library part CMP-1749-00004-1, "Resistance Weld Thru-Hole Crystal, 12 MHz, +/-30 ppm, -20 to 70 degC, 2-Pin THD, RoHS, Bulk", Case\Package=TO-251-3, Input Capacitance="350 pF", Max Operating Temperature="150 degC", Max Power Dissipation="2.5 W", Min Operating Temperature="-55 degC", Package Quantity=70, ComponentLink1Description="Manufacturer URL", ComponentLink1URL=http://www.foxonline.com/, ComponentLink2Description=Datasheet, ComponentLink2URL=http://www.foxonline.com/pdfs/hc49slf.pdf, DatasheetVersion=Mar-15, Elements=1, Height="6.1 mm", Length="6.6 mm", Mount="Through Hole", PackageDescription="2-Pin Through Hole Device, Body 11.35 x 4.65 mm, Pitch 4.88 mm", PackageReference=FOXSLF-2, Packaging=Rail/Tube, Pins=3, Radiation Hardening=No, Rds On Max="115 mohm", REACH SVHC="No SVHC", RoHSCompliant=true, Typical Rise Time="90 ns", Width="2.3 mm"

## Via types
v1: diameter 0.8, hole 0.4, Top Layer to Bottom Layer, tented both sides, 79 vias
v2: diameter 1.27, hole 0.711, Top Layer to Bottom Layer, tented both sides, 8 vias
v3: diameter 0.8, hole 0.4, Top Layer to Bottom Layer, 1 vias

## Nets (pads, with @x,y where several pads share a name; then routed paths per layer and width w, separated by ;. In a path a pad name is that pad's centre, name@x,y a point inside that pad or via, vN(x,y) a via of type N, cw(c..) or ccw(c..) an arc to the next point about the centre after c; other vN are vias at no path point)
+3V3: C1.2 C4.1 C16.2 C17.2 L4.2 P1.4 P2.5 P3.1 R33.2 R36.2 R76.2 R77.2 TP18.1 U7.5 U8.5 | length 145.9
  Top Layer w0.4: C4.1@42.775,23.925 42.775,24.925 43.7,25.85 v1(43.775,25.85)
  Top Layer w0.7: L4.2@35.975,28.45 35.975,27.46 37.15,26.285 38.14,26.285 40.5,23.925 C4.1@42.775,23.925
  Bottom Layer w0.7: TP18.1@37.202,22.119 37.202,16.177 C16.2@37.204,16.175 37.254,16.125 38.829,16.125 U7.5@38.879,16.075 ; R36.2@42.275,63.65 42.262,63.662 42.262,65.462 R33.2@42.25,65.475 42.3,65.475 42.807,65.475 ccw(c42.805,67.938) 44.547,66.197 45.442,67.092 cw(c47.572,64.965) 47.572,67.975 63.725,67.975 ; v1(43.775,25.85) 45.15,25.85 C1.2@45.275,25.975 45.275,22.319 45.475,22.119 ; U8.5@52.25,16.143 52.234,16.159 50.545,16.159 50.545,20.53 48.956,22.119 45.475,22.119 ; P2.5@76.325,63.655 73.464,66.516 ccw(c69.944,62.998) 69.944,67.975 63.725,67.975 ; 45.475,22.119 TP18.1@37.206,22.119 41.766,26.679 ccw(c38.608,29.838) 43.075,29.838 43.075,29.84 43.075,52.839 43.075,52.841 cw(c47.623,52.841) 44.408,56.058 45.354,57.004 cw(c47.576,54.784) 47.576,57.925 48.675,57.925 R76.2@51.45,57.925 R77.2@53.45,57.925 55.242,57.925 55.244,57.925 ccw(c55.244,64.94) 60.206,59.981 61.962,61.737 ccw(c57.709,65.992) 63.725,65.992 63.725,67.975
+3V3_MCU: C19.2 C24.1 C49.2 C50.2 C51.2 J5.1 L2.2 R48.2 U15.24 U15.36 U15.48 | length 109.1
  Top Layer w0.3: L2.2@21.65,36.175 L2.2@21.65,38.425 ; v1(54.275,33.35) 54.275,34.45 54.848,35.023 55.623,35.023 U15.48@55.625,35.025 56.952,35.025 58.725,36.798 v1(58.725,37.781) 58.725,39.5 60,40.775 v1(60.8,40.775) ; U15.36@57.125,42.025 57.125,39.6 v1(57.75,38.975) ; U15.24@64.125,40.525 64.273,40.525 64.275,40.527 v1(64.275,41.525)
  Top Layer w0.8: C24.1@24.075,29.2 24.106,29.231 26.806,29.231 27.9,30.325 27.9,32.3 28.975,33.375 v1(41.325,33.375) ; v1@41.375,33.325 v1(50.85,33.325)
  Bottom Layer w0.3: v1(60.8,40.775) v1@60.825,40.75 ; C49.2@62.3,40.75 C49.2@62.325,40.725 62.386,40.785 63.535,40.785 v1(64.275,41.525)
  Bottom Layer w0.5: v1(41.325,33.375) 41.325,52.866 41.768,53.309 41.768,53.31 cw(c46.493,53.31) 43.152,56.652 44.719,58.219 cw(c49.077,53.864) 49.077,60.025 53.528,60.025 54.527,60.025 54.529,60.025 ccw(c54.529,64.844) 57.938,61.438 58.644,62.144 60.019,63.519 ccw(c58.56,64.98) 60.625,64.98 J5.1@60.625,65.525 ; v1@60.825,40.75 C49.2@62.3,40.75
  Bottom Layer w0.8: v1(21.3,34.625) 21.3,30.975 v1(22,30.275) ; v1(50.85,33.325) v1@54.3,33.325 ; v1@54.25,33.375 v1(54.275,33.35) v1@54.3,33.325 ; R48.2@55.975,33.325 v1@54.3,33.325 ; v1(57.75,38.975) 58.5,38.975 58.725,38.75 C51.2@58.725,38.525 v1(58.725,37.781)
+3V3_REF: C37.2 C39.1 C52.2 C53.2 JE1.1 L3.2 R31.2 U15.9 | length 61.8
  Top Layer w0.3: L3.2@21.475,7.9 L3.2@21.525,7.95 ; C52.2@49.962,26.013 C52.2@49.975,26.025 ; JE1.1@49.975,27.667 JE1.1@50,27.692 50.108,27.8 51.775,27.8 52.775,28.8 v1(52.775,29.65) ; U15.9@61.125,33.525 61.127,33.527 61.127,34.827 v1(61.15,34.85)
  Top Layer w0.5: C39.1@24,18.325 24.975,18.325 v1(25.975,19.325) ; v1(39.45,27.075) 45.675,27.075 46.737,26.013 48.825,26.013
  Top Layer w0.8: L3.2@21.525,7.95 v2(21.525,12.675)
  Top Layer w1: 48.825,26.013 C52.2@49.962,26.013 ; C52.2@49.975,26.025 JE1.1@49.975,27.667
  Bottom Layer w0.3: v1(52.775,29.65) 53.85,30.725 58.825,30.725 61.15,33.05 v1(61.15,34.85)
  Bottom Layer w0.5: v1(25.975,19.325) 33.725,27.075 v1(39.45,27.075)
  Bottom Layer w0.8: v2(21.525,12.675) C37.2@21.525,15.775 C37.2@21.525,15.875 ; v2(21.625,18.325) 21.625,18.198 21.525,18.098 C37.2@21.525,15.875 ; R31.2@24.125,15.875 C37.2@21.525,15.875
+5: C5.2 C18.1 C25.2 C36.2 L1.1 P1.5 P4.1 P6.1 P7.16 R1.2 R5.2 R43.2 R44.2 R62.2 R63.2 R64.2 R65.2 R70.1 U1.3 U2.3 U3.3 | length 262.1
  Top Layer w0.8: C18.1@3.529,29.15 3.025,29.15 2.375,29.8 2.375,29.925 1.05,31.25 1.05,41.85 3.1,43.9 23.6,43.9 25.625,41.875 25.625,39.625 L1.1@26.725,38.525 ; C18.1@3.746,29.429 v2(3.746,31.125)
  Top Layer w1: P7.16@25.95,3.92 28.62,1.25 70.025,1.25 76.38,7.605 P6.1@76.38,11.895 76.88,12.395 81.4,16.915 81.4,32.425 77.945,35.88 P1.5@76.375,35.88 76.375,39.445 P4.1@76.35,39.47
  Bottom Layer w0.5: U1.3@20.231,6.975 C5.2@22.2,6.975 22.35,6.825 22.625,6.825 23.425,6.025 23.425,3.92 ; R44.2@63.3,14.1 63.357,14.1 63.507,14.25 63.507,14.957 64.621,16.071 66.879,16.071 67.875,15.075 ; R43.2@67.875,14.15 67.875,15.075 ; R65.2@68.35,41.2 R64.2@71.825,41.2 ; R70.1@68.425,58.5 68.438,58.487 70.9,58.487 71.828,58.487 cw(c71.828,56.896) 72.953,58.022 72.956,58.019 ccw(c74.635,59.702) 74.635,57.325 74.636,57.325 77.178,57.325 77.181,57.325 cw(c77.18,55.285) 78.622,56.728 78.624,56.726 81.775,53.575 81.775,43.275 77.97,39.47 P4.1@76.35,39.47 74.77,41.05 R64.2@71.825,41.05 ; R64.2@71.825,41.125 R64.2@71.975,40.975 ; P6.1@76.38,11.895 72.43,11.895 71.375,12.95 71.375,15.5 70.675,16.2 69,16.2 67.875,15.075 ; R1.2@76.4,8.825 76.4,8.875 76.55,9.025 79.825,9.025 80.975,10.175 R5.2@80.975,13.625
  Bottom Layer w0.8: v2(3.746,31.125) 5.256,31.125 5.31,31.179 5.665,31.179 5.665,31.534 U2.3@5.775,31.644 ; v2(5.95,28.2) C25.2@5.95,26.675 5.95,26.075 3.525,23.65 3.525,19.325 5.969,16.881 7.063,16.881 U3.3@7.1,16.844 7.1,14.1 C36.2@7.075,14.1 6.525,14.1 5.55,13.125 5.55,10.9 7.45,9 9.8,9 14.88,3.92 23.425,3.92 P7.16@25.95,3.92
  Bottom Layer w1: P6.1@76.38,11.895 76.39,11.885 76.39,8.835 R1.2@76.4,8.825
+5V_ISO: C42.1 R32.2 R34.2 R35.2 TP17.1 U12.4 U13.8 U14.10 U14.16 | length 48.3
  Top Layer w0.5: v1(22.9,53.95) 23.675,54.725 23.675,59.5 23.075,60.1 23.075,63.075 v1(23.1,63.1)
  Bottom Layer w0.5: R32.2@10.925,53.425 R34.2@12.725,53.425 12.875,53.575 12.875,53.85 13.45,54.425 13.45,60.65 ; U13.8@11.535,60.53 13.33,60.53 13.45,60.65 ; C42.1@15.475,61.95 14.75,61.95 13.45,60.65 ; C42.1@15.475,62.15 21.25,62.15 21.45,62.15 ; R35.2@21.25,60.6 21.25,61.95 21.45,62.15 ; v1@22.957,53.893 v1(22.9,53.95) 22.923,53.95 24.398,55.425 U14.10@26.35,55.425 ; U14.16@26.35,63.045 23.155,63.045 v1(23.1,63.1) ; U12.4@27.365,66.5 TP17.1@23.1,66.5 v1(23.1,63.1) ; 21.45,62.15 22.35,63.05 23.05,63.05 v1(23.1,63.1)
+5V_RS: C45.2 C46.1 L1.2 U12.2 U14.1 U14.7 | length 42.8
  Top Layer w1: L1.2@31.725,38.525 32.008,38.242 34.242,38.242 38.05,42.05 38.05,42.425 C46.1@38.4,42.775 ; v1(38.212,50.637) 38.212,43.838 C46.1@38.475,43.575
  Bottom Layer w0.5: 32.445,63.02 32.445,56.58 33.6,55.425 U14.7@35.6,55.425 38.65,55.425 39.125,54.95 39.125,51.218 38.832,50.925 38.275,50.925 38.125,50.775 C45.2@38.125,50.55 C45.2@38.112,50.538 ; 32.445,63.045 U12.2@32.445,66.5 ; 32.47,63.045 U14.1@35.6,63.045
  Bottom Layer w1: 38.112,49.287 C45.2@38.112,50.538
GND_2: C42.2 J7.2 R39.1 R42.1 TP25.1 U12.3 U13.5 U14.9 U14.15 ZD1.1 ZD2.1 | length 63.8
  Top Layer w0.5: v1(10.4,56.72) 18.055,64.375 23.425,64.375 24.25,63.55 v1(24.25,61.8) ; v1(24.6,53.575) 24.604,53.579 24.604,60.162 24.25,60.516 v1(24.25,61.8) ; 29.244,65.839 U12.3@29.905,66.5 ; 29.244,65.927 28.85,65.533 28.85,64.475 26.232,61.857 24.307,61.857 v1(24.25,61.8)
  Bottom Layer w0.5: R42.1@1.975,59.15 R42.1@2.2,59.15 ; J7.2@4.073,58.103 J7.2@4.35,57.825 ; ZD1.1@7.625,56.85 7.755,56.72 v1(10.4,56.72) U13.5@11.535,56.72 ; R39.1@21.25,58.9 22.2,58.9 24.25,60.95 v1(24.25,61.8) 24.262,61.788 26.337,61.788 U14.15@26.35,61.775 ; v1(24.6,53.575) 24.657,53.632 24.823,53.632 25.346,54.155 U14.9@26.35,54.155
  Bottom Layer w1: R42.1@2.2,59.15 3.247,58.103 J7.2@4.073,58.103 ; J7.2@4.35,57.825 7.625,57.825 ; ZD1.1@7.625,56.85 7.625,57.825 ; ZD2.1@7.625,59.569 7.625,58.225 7.625,57.825 ; TP25.1@15.45,68.15 TP25.1@15.45,67.725 15.462,67.713 15.462,63.663 C42.2@15.475,63.65 15.487,63.663 17.312,63.663 v1(17.325,63.675)